# Altium PCB lora_gw_som_pcb.PcbDoc (part 1 of 3) (continued)
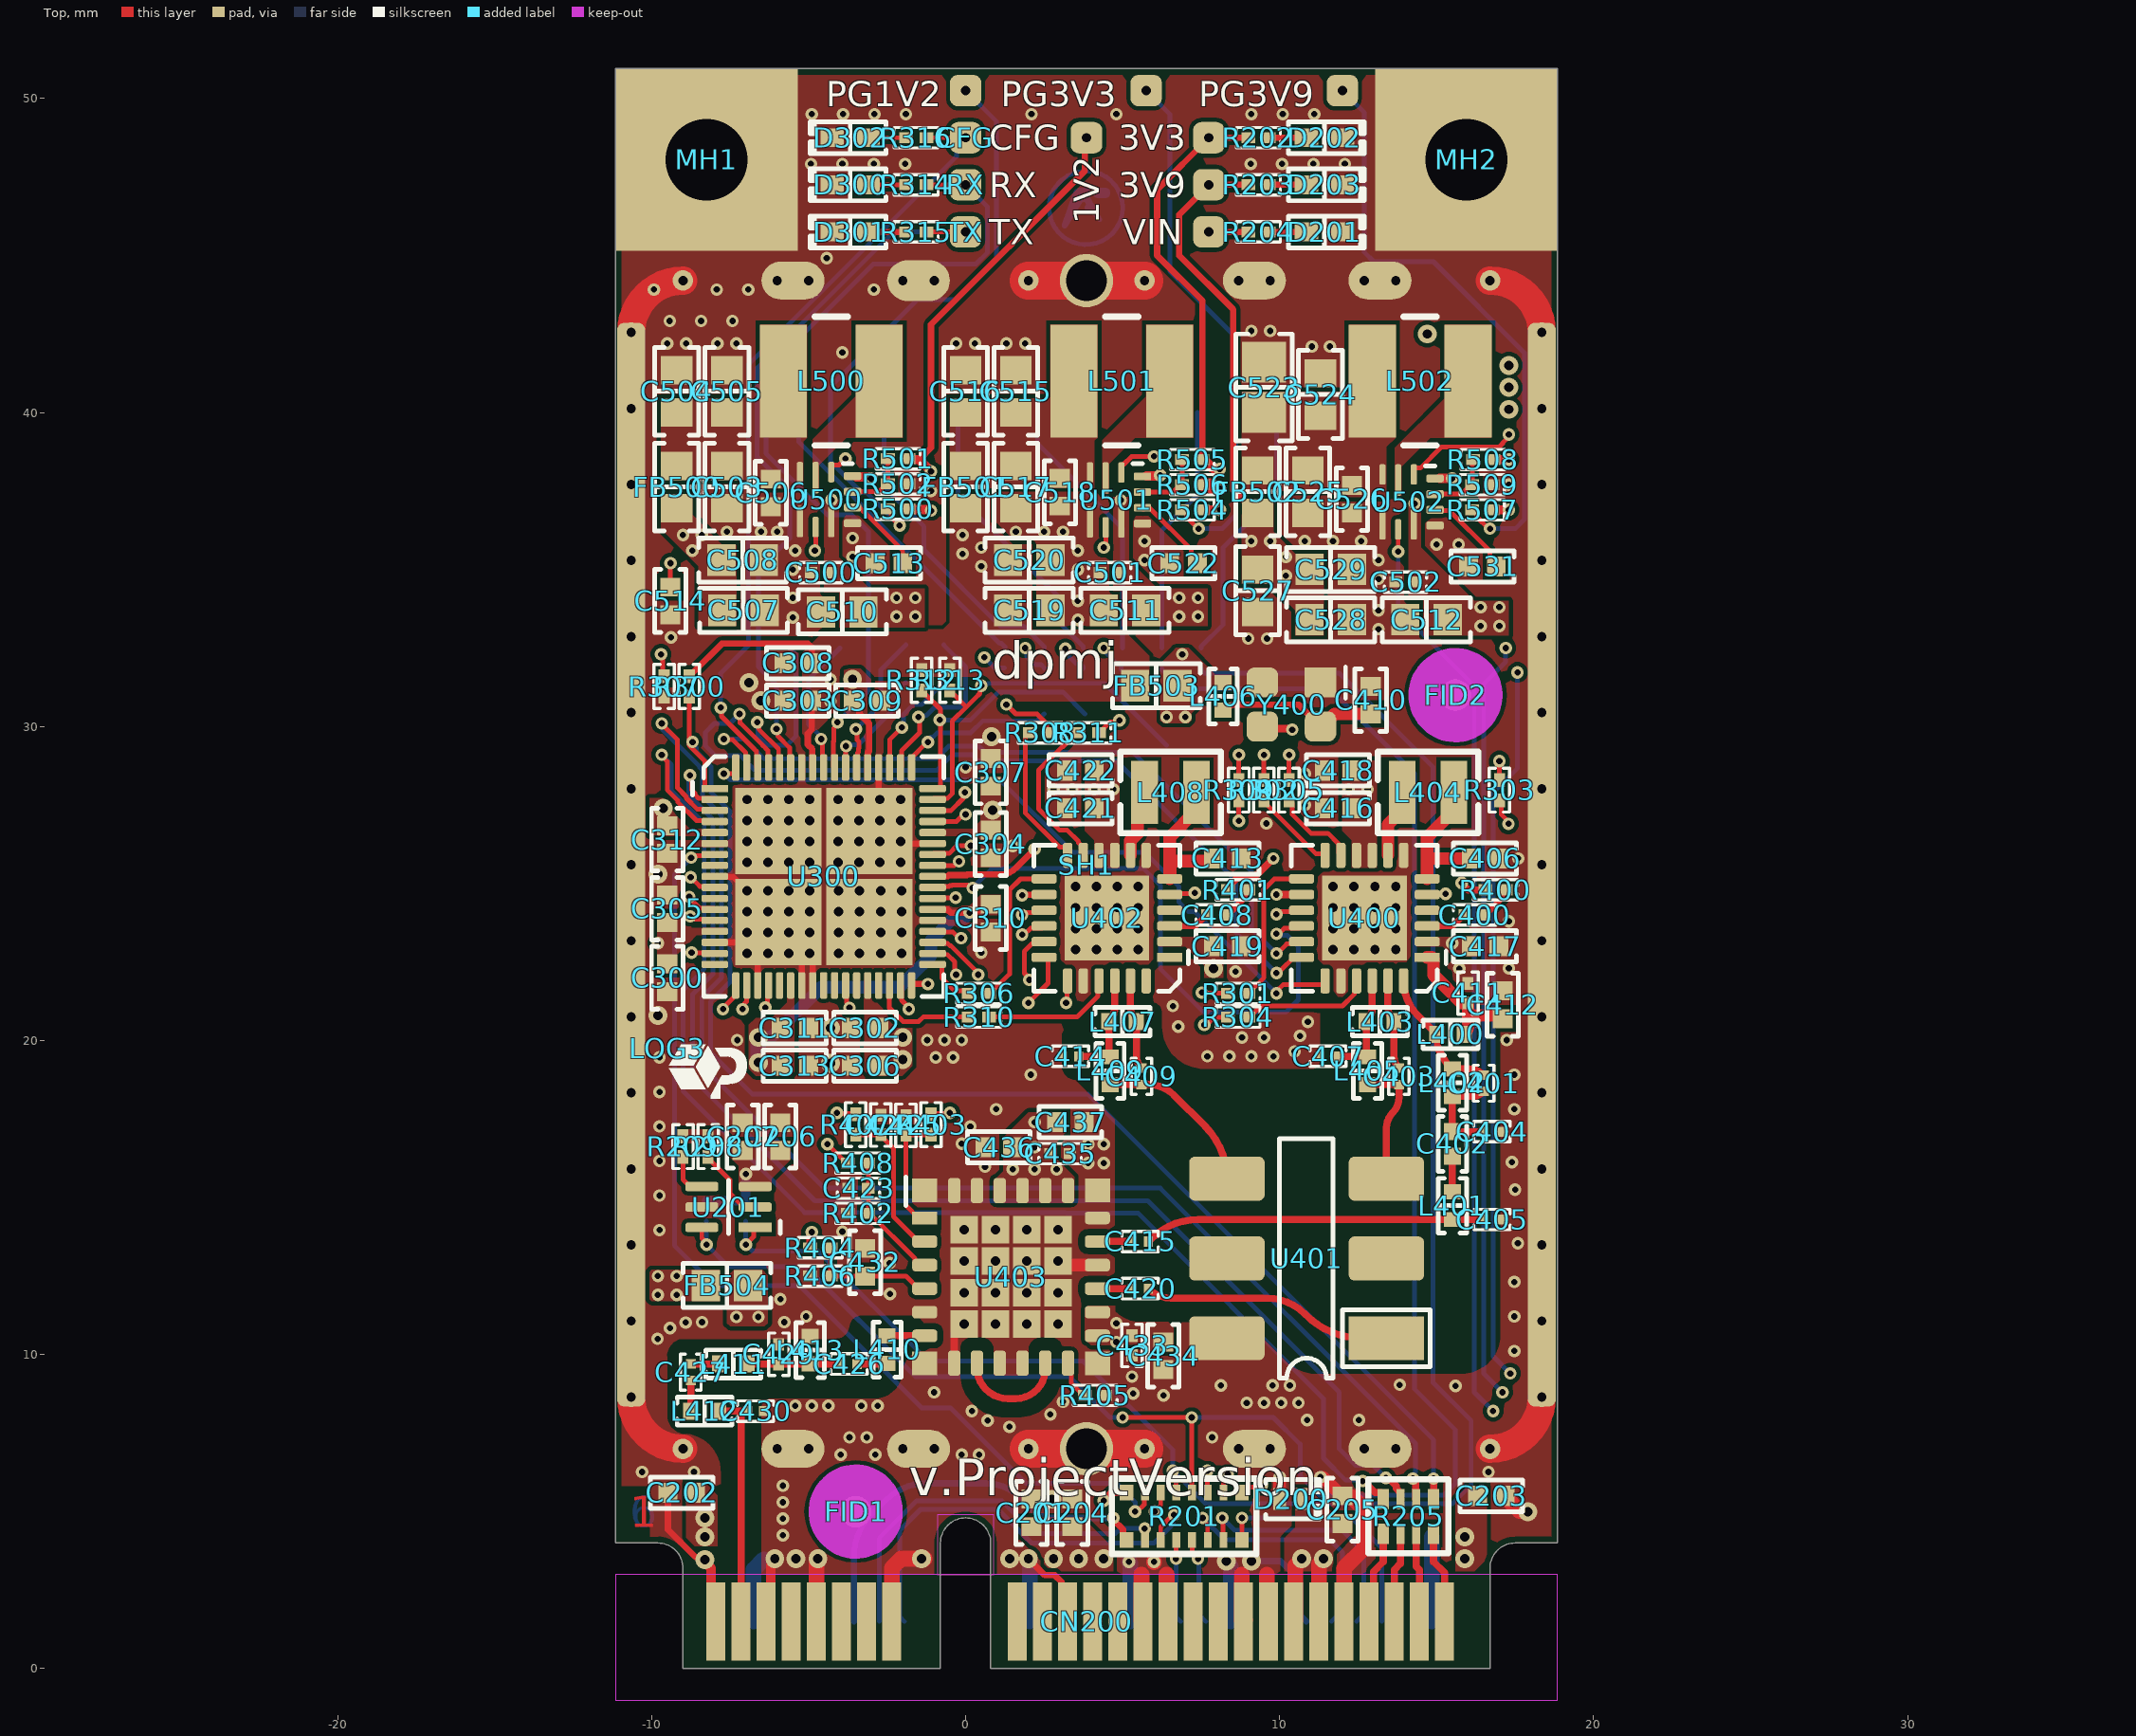
[diagram p0: Top view]
## Classes and differential pairs
net class "SPI PCI": PCI.SPI.MISO PCI.SPI.MOSI PCI.SPI.NSS PCI.SPI.SCK
net class "SPI HOST": SPI_SX1302.MISO SPI_SX1302.MOSI SPI_SX1302.NSS SPI_SX1302.SCK
net class "SPI A": SPI_RADIO_A.CSN SPI_RADIO_A.MISO SPI_RADIO_A.MOSI SPI_RADIO_A.SCK
net class IQ: RADIO_A_CLK_O RADIO_A_IQ0 RADIO_A_IQ1 RADIO_A_IQ2 RADIO_A_IQ3 RADIO_B_CLK_O RADIO_B_IQ0 RADIO_B_IQ1 RADIO_B_IQ2 RADIO_B_IQ3 SX1302_A_IQ0 SX1302_A_IQ1 SX1302_A_IQ2 SX1302_A_IQ3 SX1302_A_IQ4 SX1302_B_IQ0 SX1302_B_IQ1 SX1302_B_IQ2 SX1302_B_IQ3 SX1302_B_IQ4
net class I2C: I2C.SCL I2C.SDA
net class "SPI B": SPI_RADIO_B.CSN SPI_RADIO_B.MISO SPI_RADIO_B.MOSI SPI_RADIO_B.SCK
net class RF50: NetC426_1 NetC427_1 PWSPLT.RA PWSPLT.RB RA.LPF RA.RFIN RA.RFIP RA.RFO RA.ZO RB.RFIN RB.RFIP RF_RXOUT RF_TXIN RFIO RFIO_BPF RFIO_LPF RFSW.ANTENNA RFSW.RX12 RFSW.RXOUT RFSW.TXIN
net class POWER: DC1V2.SW DC1V2.VO DC3V3.SW DC3V3.VO DC3V9.SW DC3V9.VO GND RA.DCSW RA.VREG RB.DCSW RB.VREG VCC_CORE_1V2 VCC_IN_5V VCC_IO_3V3 VCC_RADIO_3V3 VCC_RFSW_3V3 VCC_RFSW_3V9 VR_PA
component class 1_cover: EM1 FID1 FID2 LOG1 LOG2 LOG3 LOG4 LOG5 MH1 MH2 SH1
net class RADIO_B_IQ[0..3]: RADIO_B_IQ0 RADIO_B_IQ1 RADIO_B_IQ2 RADIO_B_IQ3
net class RADIO_A_IQ[0..3]: RADIO_A_IQ0 RADIO_A_IQ1 RADIO_A_IQ2 RADIO_A_IQ3
component class "RF FRONTEND MODULE": C415 C420 C423 C424 C425 C426 C427 C429 C430 C432 C433 C434 C435 C436 C437 L410 L411 L412 L413 R402 R403 R404 R405 R406 R407 R408 U403
component class POWER: 1V2 3V3 3V9 C500 C501 C502 C503 C504 C505 C506 C507 C508 C510 C511 C512 C513 C514 C515 C516 C517 C518 C519 C520 C522 C523 C524 C525 C526 C527 C528 C529 C531 FB500 FB501 FB502 FB503 FB504 L500 L501 L502 PG1V2 PG3V3 PG3V9 R500 R501 R502 R504 R505 R506 R507 R508 R509 U500 U501 U502 VIN
component class "MINI-PCIE CONNECTOR": C201 C202 C203 C204 C205 C206 C207 CN200 CN201 D200 D201 D202 D203 R200 R201 R202 R203 R204 R205 R206 R207 R208 R209 R210 R211 R212 R213 R214 U201
component class "LORA GATEWAY RF FRONTEND": C400 C401 C402 C403 C404 C405 C406 C407 C408 C409 C410 C411 C412 C413 C414 C416 C417 C418 C419 C421 C422 L400 L401 L402 L403 L404 L405 L406 L407 L408 L409 R400 R401 U400 U401 U402 Y400
component class "LORA GATEWAY BASEBAND": C300 C302 C303 C304 C305 C306 C307 C308 C309 C310 C311 C312 C313 CFG D300 D301 D302 R300 R301 R302 R303 R304 R305 R306 R307 R308 R309 R310 R311 R312 R313 R314 R315 R316 RX TP1 TP3 TP5 TP6 TP7 TP8 TP9 TP10 TP11 TX U300

## Components (designator, comment, footprint, x,y, rotation, side; value= is the part's Value field where it differs from the comment)
1V2 "Value" TESTPOINT_VIA 3.85,48.75 r0 bottom
3V3 "Value" TESTPOINT_VIA 7.75,48.75 r270 bottom
3V9 "Value" TESTPOINT_VIA 7.75,47.25 r270 bottom
C201 "1 µF" "CAP 0402_1005" 2.1,4.96 r270 top
C202 "0.1 µF" "CAP 0402_1005" -9.04,5.6 r0 top
C203 "0.1 µF" "CAP 0402_1005" 16.74,5.5 r180 top
C204 "0.1 µF" "CAP 0402_1005" 3.4,4.96 r270 top
C205 "0.1 µF" "CAP 0402_1005" 12,5.06 r270 top
C206 "0.1 µF" "CAP 0402_1005" -5.9,16.94 r270 top
C207 "1 µF" "CAP 0402_1005" -7.1,16.94 r270 top
C300 "0.1 µF" "CAP 0402_1005" -9.5,22 r90 top
C302 "0.1 µF" "CAP 0402_1005" -3.2,20.4 r0 top
C303 "0.1 µF" "CAP 0402_1005" -5.34,30.82 r0 top
C304 "0.1 µF" "CAP 0402_1005" 0.8,26.26 r90 top
C305 "1 µF" "CAP 0402_1005" -9.5,24.2 r270 top
C306 "1 µF" "CAP 0402_1005" -3.2,19.2 r0 top
C307 "1 µF" "CAP 0402_1005" 0.8,28.54 r270 top
C308 "1 µF" "CAP 0402_1005" -5.34,32.02 r0 top
C309 "0.1 µF" "CAP 0402_1005" -3.14,30.82 r180 top
C310 "0.1 µF" "CAP 0402_1005" 0.8,23.9 r90 top
C311 "0.1 µF" "CAP 0402_1005" -5.44,20.4 r180 top
C312 "0.1 µF" "CAP 0402_1005" -9.5,26.4 r90 top
C313 "1 µF" "CAP 0402_1005" -5.44,19.2 r180 top
C400 "10 pF" "CAP 0201_0603" 16.21,24 r0 top
C401 "6.8 pF" "CAP 0201_0603 RF" 16.5,18.64 r270 top
C402 "39 pF" "CAP 0402_1005 RF" 15.5,16.71 r270 top
C403 "1.5 pF" "CAP 0201_0603 RF" 13.8,18.86 r270 top
C404 "4.7 pF" "CAP 0201_0603 RF" 16.76,17.1 r180 top
C405 "4.7 pF" "CAP 0201_0603 RF" 16.76,14.3 r180 top
C406 "0.47 µF" "CAP 0402_1005" 16.54,25.8 r180 top
C407 "3.1 pF" "CAP 0201_0603 RF" 11.54,19.5 r0 top
C408 "10 pF" "CAP 0201_0603" 8.01,24 r0 top
C409 "1.5 pF" "CAP 0201_0603 RF" 5.6,18.86 r270 top
C410 "0.1 µF" "CAP 0402_1005" 12.9,30.84 r270 top
C411 "47 pF" "CAP 0201_0603" 16,21.51 r270 top
C412 "0.047 µF" "CAP 0402_1005" 17.1,21.14 r270 top
C413 "0.47 µF" "CAP 0402_1005" 8.34,25.8 r180 top
C414 "3.1 pF" "CAP 0201_0603 RF" 3.34,19.5 r0 top
C415 "100 pF" "CAP 0201_0603 RF" 5.56,13.6 r180 top
C416 "0.1 µF" "CAP 0402_1005" 11.86,27.4 r0 top
C417 "0.1 µF" "CAP 0402_1005" 16.54,23 r180 top
C418 "1 µF" "CAP 0402_1005" 11.86,28.6 r0 top
C419 "0.1 µF" "CAP 0402_1005" 8.34,23 r180 top
C420 "100 pF" "CAP 0201_0603 RF" 5.56,12.1 r180 top
C421 "0.1 µF" "CAP 0402_1005" 3.66,27.4 r0 top
C422 "1 µF" "CAP 0402_1005" 3.66,28.6 r0 top
C423 "56 pF" "CAP 0201_0603" -3.41,15.3 r0 top
C424 "56 pF" "CAP 0201_0603" -2.7,17.31 r270 top
C425 "56 pF" "CAP 0201_0603" -1.9,17.3 r270 top
C426 "1.4 pF" "CAP 0201_0603 RF" -3.71,9.7 r180 top
C427 "1.4 pF" "CAP 0201_0603 RF" -8.75,9.44 r270 top
C429 "62 pF" "CAP 0201_0603" -5.95,10.01 r270 top
C430 "2.2 pF" "CAP 0201_0603 RF" -6.69,8.2 r180 top
C432 "1 µF" "CAP 0402_1005" -3.2,12.94 r270 top
C433 "220 pF" "CAP 0201_0603" 5.3,10.29 r90 top
C434 "10000 pF" "CAP 0402_1005" 6.3,9.96 r90 top
C435 "220 pF" "CAP 0201_0603" 3.01,16.4 r180 top
C436 "0.1 µF" "CAP 0402_1005" 1.06,16.6 r0 top
C437 "1 µF" "CAP 0402_1005" 3.34,17.4 r180 top
C500 "2200 pF" "CAP 0201_0603" -4.61,34.9 r0 top
C501 "2200 pF" "CAP 0201_0603" 4.59,34.9 r0 top
C502 "2200 pF" "CAP 0201_0603" 14.01,34.6 r0 top
C503 "22 µF" "CAP 0603_1608" -7.6,37.625 r90 top
C504 "22 µF" "CAP 0603_1608" -9.2,40.675 r270 top
C505 "22 µF" "CAP 0603_1608" -7.6,40.675 r270 top
C506 "0.1 µF" "CAP 0402_1005" -6.2,37.44 r90 top
C507 "22 µF" "CAP 0603_1608" -7.075,33.7 r180 top
C508 "22 µF" "CAP 0603_1608" -7.1,35.3 r180 top
C510 "10 µF" "CAP 0603_1608" -3.925,33.65 r0 top
C511 "10 µF" "CAP 0603_1608" 5.075,33.7 r0 top
C512 "10 µF" "CAP 0603_1608" 14.675,33.4 r0 top
C513 "0.47 µF" "CAP 0402_1005" -2.44,35.2 r0 top
C514 "0.1 µF" "CAP 0402_1005" -9.4,34 r90 top
C515 "22 µF" "CAP 0603_1608" 1.6,40.675 r270 top
C516 "22 µF" "CAP 0603_1608" 0,40.675 r270 top
C517 "22 µF" "CAP 0603_1608" 1.6,37.625 r90 top
C518 "0.1 µF" "CAP 0402_1005" 3,37.46 r90 top
C519 "22 µF" "CAP 0603_1608" 2.025,33.7 r180 top
C520 "22 µF" "CAP 0603_1608" 2.025,35.3 r180 top
C522 "0.47 µF" "CAP 0402_1005" 6.94,35.2 r0 top
C523 "47 µF" "CAP 0805_2012" 9.5,40.8 r270 top
C524 "22 µF" "CAP 0603_1608" 11.3,40.575 r270 top
C525 "22 µF" "CAP 0603_1608" 10.9,37.475 r90 top
C526 "0.1 µF" "CAP 0402_1005" 12.3,37.24 r90 top
C527 "22 µF" "CAP 0603_1608" 9.3,34.325 r90 top
C528 "22 µF" "CAP 0603_1608" 11.625,33.4 r180 top
C529 "22 µF" "CAP 0603_1608" 11.625,35 r180 top
C531 "0.47 µF" "CAP 0402_1005" 16.46,35.1 r0 top
CFG "Value" testpoint_via 0,48.75 r270 top
CN200 "Mini PCI Express Card Edge connector" "MINI PCI EXPRESS" 0,0 r0 top locked
CN201 "Value" "HEADER 1X10 2.54MM" 15,40 r180 bottom
D200 "RCLAMP0561PQTCT" 0402 10.35,5.4 r0 top
D201 "Green" "LED 0402_1005 GREEN" 11.425,45.75 r0 top
D202 "Yellow" "LED 0402_1005 YELLOW" 11.425,48.75 r0 top
D203 "Red" "LED 0402_1005 RED" 11.425,47.25 r0 top
D300 "Red" "LED 0402_1005 RED" -3.675,47.25 r180 top
D301 "Green" "LED 0402_1005 GREEN" -3.675,45.75 r180 top
D302 "Yellow" "LED 0402_1005 YELLOW" -3.675,48.75 r180 top
FB500 "8.5 Ohms @ 100 MHz" "FER 0603_1608" -9.2,37.625 r270 top
FB501 "8.5 Ohms @ 100 MHz" "FER 0603_1608" 0,37.625 r270 top
FB502 "8.5 Ohms @ 100 MHz" "FER 0603_1608" 9.3,37.475 r270 top
FB503 "8.5 Ohms @ 100 MHz" "FER 0603_1608" 6.075,31.3 r0 top
FB504 "8.5 Ohms @ 100 MHz" "FER 0603_1608" -7.6,12.2 r0 top
FID1 "Fiducial Mark" FIDUCIAL_1_3_MM -3.5,5 r0 top locked
FID2 "Fiducial Mark" FIDUCIAL_1_3_MM 15.6,31 r0 top locked
L400 "100 nH" "IND 0402_1005 RF WW" 15.44,20.2 r180 top
L401 "10 nH" "IND 0402_1005 RF WW" 15.5,14.74 r270 top
L402 "5.6 nH" "IND 0402_1005 RF WW" 15.5,18.66 r270 top
L403 "68 nH" "IND 0402_1005 RF WW" 13.2,20.6 r0 top
L404 "15 µH" "TDK VLS252010CX" 14.725,27.9 r180 top
L405 "82 nH" "IND 0402_1005 RF WW" 12.8,19.04 r270 top
L406 "100 nH" "IND 0402_1005 RF WW" 8.2,30.96 r270 top
L407 "68 nH" "IND 0402_1005 RF WW" 5,20.6 r0 top
L408 "15 µH" "TDK VLS252010CX" 6.525,27.9 r180 top
L409 "82 nH" "IND 0402_1005 RF WW" 4.6,19.04 r270 top
L410 "100 nH" "IND 0402_1005 RF WW" -2.5,10.16 r270 top
L411 "100 nH" "IND 0402_1005 RF WW" -7.39,9.7 r180 top
L412 "6 nH" "IND 0402_1005 RF WW" -8.31,8.2 r0 top
L413 "2.2 nH" "IND 0402_1005 RF WW" -4.95,10.14 r90 top
L500 "2.2 µH" "BOURNS SRN4018" -4.275,41 r180 top
L501 "2.2 µH" "BOURNS SRN4018" 4.975,41 r180 top
L502 "2.2 µH" "BOURNS SRN4018" 14.475,41 r180 top
LOG1 "Pluton" logo_pluton_small 17,11.5 r180 bottom
LOG2 "MAG" LOGO_MAG 16.9,34.7 r180 bottom
LOG3 "Pluton isotype" logo_pluton_isotype_small -9.5,19.75 r0 top
LOG4 "AEA" logo_aea -6.275,10.385 r180 bottom
LOG5 "LoRa" logo_lora -4.2,10.4 r90 bottom
MH1 "M2.5" "MH MPCIE M2.5" -8.25,48.05 r0 top
MH2 "M2.5" "MH MPCIE M2.5" 15.95,48.05 r0 top
PG1V2 "Value" TESTPOINT_VIA 0,50.25 r270 bottom
PG3V3 "Value" TESTPOINT_VIA 5.75,50.25 r270 bottom
PG3V9 "Value" TESTPOINT_VIA 12,50.25 r270 bottom
R200 "0 Ohms" "RES 0201_0603" 7.5,32.175 r270 bottom
R201 "EXB-2HV101JV" "RESNET 1506-16 CONVEX" 6.963,4.85 r90 top
R202 "680 Ohms" "RES 0201_0603" 9.325,48.75 r180 top
R203 "750 Ohms" "RES 0201_0603" 9.325,47.25 r180 top
R204 "1.5 kOhms" "RES 0201_0603" 9.325,45.75 r180 top
R205 "EXB-28V101JX" "RESNET 0804-8 CONVEX" 14.1,4.85 r270 top
R206 "4.7 kOhms" "RES 0201_0603" -8.25,14.575 r90 bottom
R207 "4.7 kOhms" "RES 0201_0603" -7,14.575 r90 bottom
R208 "47 kOhms" "RES 0201_0603" -8.2,16.625 r90 top
R209 "33 kOhms" "RES 0201_0603" -9,16.625 r90 top
R210 "0 Ohms" "RES 0201_0603" 6.25,32.175 r270 bottom
R211 "0 Ohms" "RES 0201_0603" 5,32.175 r270 bottom
R212 "0 Ohms" "RES 0201_0603" 3.75,32.175 r270 bottom
R213 "0 Ohms" "RES 0201_0603" 2.5,32.175 r270 bottom
R214 "0 Ohms" "RES 0201_0603" 1.25,32.175 r270 bottom
R300 "10 kOhms" "RES 0201_0603" -8.8,31.275 r270 top
R301 "0 Ohms" "RES 0201_0603" 8.675,21.5 r0 top
R302 "0 Ohms" "RES 0201_0603" 9.5,27.975 r270 top
R303 "0 Ohms" "RES 0201_0603" 17,27.975 r270 top
R304 "0 Ohms" "RES 0201_0603" 8.675,20.75 r0 top
R305 "0 Ohms" "RES 0201_0603" 10.3,27.975 r270 top
R306 "0 Ohms" "RES 0201_0603" 0.425,21.5 r0 top
R307 "10 kOhms" "RES 0201_0603" -9.6,31.275 r270 top
R308 "0 Ohms" "RES 0201_0603" 2.375,29.8 r180 top
R309 "0 Ohms" "RES 0201_0603" 8.7,27.975 r270 top
R310 "0 Ohms" "RES 0201_0603" 0.425,20.75 r0 top
R311 "0 Ohms" "RES 0201_0603" 3.925,29.8 r180 top
R312 "4.7 kOhms" "RES 0201_0603" -1.4,31.475 r90 top
R313 "4.7 kOhms" "RES 0201_0603" -0.5,31.475 r90 top
R314 "680 Ohms" "RES 0201_0603" -1.575,47.25 r0 top
R315 "680 Ohms" "RES 0201_0603" -1.575,45.75 r0 top
R316 "680 Ohms" "RES 0201_0603" -1.575,48.75 r0 top
R400 "220 Ohms" "RES 0201_0603" 16.875,24.8 r0 top
R401 "220 Ohms" "RES 0201_0603" 8.675,24.8 r0 top
R402 "0 Ohms" "RES 0201_0603" -3.425,14.5 r0 top
R403 "1 kOhms" "RES 0201_0603" -1.1,17.325 r270 top
R404 "5.1 kOhms" "RES 0201_0603" -4.625,13.4 r180 top
R405 "0 Ohms" "RES 0201_0603" 4.125,8.7 r180 top
R406 "3.3 kOhms" "RES 0201_0603" -4.625,12.5 r0 top
R407 "1 kOhms" "RES 0201_0603" -3.5,17.325 r270 top
R408 "1 kOhms" "RES 0201_0603" -3.425,16.1 r0 top
R500 "100 kOhms" "RES 0201_0603" -2.15,36.925 r0 top
R501 "2.49 kOhms" "RES 0201_0603" -2.15,38.525 r0 top
R502 "4.87 kOhms" "RES 0201_0603" -2.15,37.725 r180 top
R504 "100 kOhms" "RES 0201_0603" 7.22,36.9 r0 top
R505 "15.4 kOhms" "RES 0201_0603" 7.22,38.5 r0 top
R506 "4.87 kOhms" "RES 0201_0603" 7.22,37.7 r180 top
R507 "100 kOhms" "RES 0201_0603" 16.455,36.9 r0 top
R508 "19.1 kOhms" "RES 0201_0603" 16.48,38.5 r0 top
R509 "4.87 kOhms" "RES 0201_0603" 16.455,37.7 r180 top
RX "Value" testpoint_via 0,47.25 r270 top
SH1 "MS375-10F" MS375-10F -9,7 r90 top locked
TP1 "Value" testpoint_pad -5.6,32.5 r270 bottom
TP3 "Value" testpoint_pad -4,32.5 r270 bottom
TP5 "Value" testpoint_pad -1.9,31.4 r270 bottom
TP6 "Value" testpoint_pad -1.9,32.6 r270 bottom
TP7 "Value" testpoint_pad -0.7,31.4 r270 bottom
TP8 "Value" testpoint_pad -0.7,32.6 r180 bottom
TP9 "Value" testpoint_pad 2.5,30.4 r180 bottom
TP10 "Value" testpoint_pad 3.8,30.4 r90 bottom
TP11 "Value" testpoint_pad 6.4,29.4 r0 bottom
TX "Value" testpoint_via 0,45.75 r270 top
U201 "STTS751" UDFN-6L -6.7,14.05 r180 top
U300 "SX1302IMLTRT" QFN-68 -7.99,28.025 r0 top locked
U400 "SX1250IMLTRT" QFN-24 14.7,22.65 r180 top locked
U401 "JPS-2-1N+" SOP6-BH292-JPS-2-1N 13.4,10.52 r180 top locked
U402 "SX1250IMLTRT" QFN-24 6.5,22.65 r180 top locked
U403 "SKY65366-21" MCM-28-SKY65366-21 -1.3,14.35 r0 top
U500 "TPS62912" VQFN-HR-TPS6291X -3.6,37.975 r270 top locked
U501 "TPS62912" VQFN-HR-TPS6291X 5.635,37.965 r270 top locked
U502 "TPS62912" VQFN-HR-TPS6291X 14.95,37.9 r270 top locked
VIN "Value" TESTPOINT_VIA 7.75,45.75 r270 bottom
Y400 "FT2MNTUM-32.0-T1" TCXO-XTAL-FT2MN 11.3,30 r180 top

## Footprints (in the part's own frame and the unit in brackets; to place one, negate y for a bottom-side part, rotate by r counter-clockwise, add the part's x,y. Pads: shape width x height; smd on the part's side, far side on the other; paste and mask are expansions set on the pad)
0402 [mm] "SODFL, 2-Leads, Body 0.675x1.075mm, IPC Medium Density"
  rect 0.4x0.7 smd: 1(-0.35,0) 2(0.35,0)
  silkscreen extent -0.8,-0.63 0.92,0.63, body extent -0.51,-0.31 0.5,0.3, height 0.45
"BOURNS SRN4018" [mm] "Power Inductor, 2-Leads, Bourns, SRN4018-220M"
  rect 1.5x3.6 smd: 1(-1.525,0) 2(1.525,0)
  silkscreen extent -0.53,-2.05 0.53,2.05, body extent -2.05,-2.05 2.05,2.05, height 1.8
"CAP 0201_0603" [mm] "Chip Capacitor, 2-Leads, Body 0.60x0.30mm, IPC Medium Density"
  rect 0.4x0.35 smd: 1(-0.31,0) 2(0.31,0)
  silkscreen extent -0.67,-0.33 0.67,0.33, body extent -0.3,-0.15 0.3,0.15, height 0.3
"CAP 0201_0603 RF" [mm] "Chip Capacitor, 2-Leads, Body 0.60x0.30mm, IPC High Density"
  rect 0.3x0.32 smd: 1(-0.26,0) 2(0.26,0)
  silkscreen extent -0.58,-0.33 0.58,0.33, body extent -0.3,-0.15 0.3,0.15, height 0.3
"CAP 0402_1005" [mm] "Chip Capacitor, 2-Leads, Body 1.02x0.51mm, IPC Medium Density"
  rect 0.6x0.64 smd: 1(-0.44,0) 2(0.44,0)
  silkscreen extent -1,-0.5 1,0.5, body extent -0.5,-0.26 0.5,0.26, height 0.52
"CAP 0402_1005 RF" [mm] "Chip Capacitor, 2-Leads, Body 1.02x0.51mm, IPC High Density"
  rect 0.55x0.54 smd: 1(-0.39,0) 2(0.39,0)
  silkscreen extent -0.87,-0.45 0.87,0.45, body extent -0.5,-0.26 0.5,0.26, height 0.52
"CAP 0603_1608" [mm] "Chip Capacitor, 2-Leads, Body 1.60x0.80mm, IPC Medium Density"
  rect 0.9x1 smd: 1(-0.675,0) 2(0.675,0)
  silkscreen extent -1.4,-0.7 1.4,0.7, body extent -0.8,-0.41 0.8,0.41, height 0.82
"CAP 0805_2012" [mm] "Chip Capacitor, 2-Leads, Body 2.00x1.20mm, IPC Medium Density"
  rect 1.3x1.4 smd: 1(-0.8,0) 2(0.8,0)
  silkscreen extent -1.7,-0.9 1.7,0.9, body extent -1,-0.64 1,0.64, height 1.26
"FER 0603_1608" [mm] "Chip Ferrite, 2-Leads, Body 1.60x0.80mm, IPC Medium Density"
  rect 0.9x1 smd: 1(-0.675,0) 2(0.675,0)
  silkscreen extent -1.4,-0.7 1.4,0.7, body extent -0.8,-0.41 0.8,0.41, height 0.82
FIDUCIAL_1_3_MM [mm]
  round 1 smd mask+1: 0(0,0)
  Top keep-out circle w1.5: c0,0 r0.75
"HEADER 1X10 2.54MM" [mm] "header 1x10 2.54mm pitch"
  rect 1.5x3.5 smd: 1(0,0)
  oval 1.5x3.5 smd: 2(2.54,0) 3(5.08,0) 4(7.62,0) 5(10.16,0) 6(12.7,0) 7(15.24,0) 8(17.78,0) 9(20.32,0) 10(22.86,0)
  silkscreen extent -1,-2 1,2
"IND 0402_1005 RF WW" [mm] "Chip Inductor, 2-Leads, Body 1.00x0.50mm, IPC High Density"
  rect 0.48x0.54 smd: 1(-0.44,0) 2(0.44,0)
  silkscreen extent -0.87,-0.45 0.87,0.45, body extent -0.5,-0.29 0.5,0.29, height 0.51
"LED 0402_1005 GREEN" [mm] "Chip Diode, 2-Leads, Body 1.00x0.50mm, IPC Medium Density"
  rect 0.75x0.6 smd: 1(-0.575,0) 2(0.575,0)
  silkscreen extent -1.14,-0.51 1.27,0.51, body extent -0.5,-0.25 0.5,0.25, height 0.21
"LED 0402_1005 RED" [mm] "Chip Diode, 2-Leads, Body 1.00x0.50mm, IPC Medium Density"
  rect 0.75x0.6 smd: 1(-0.575,0) 2(0.575,0)
  silkscreen extent -1.14,-0.51 1.27,0.51, body extent -0.5,-0.25 0.5,0.25, height 0.21
"LED 0402_1005 YELLOW" [mm] "Chip Diode, 2-Leads, Body 1.00x0.50mm, IPC Medium Density"
  rect 0.75x0.6 smd: 1(-0.575,0) 2(0.575,0)
  silkscreen extent -1.14,-0.51 1.27,0.51, body extent -0.5,-0.25 0.5,0.25, height 0.21
logo_aea [mm]
  silkscreen extent -0.62,-3.63 3.63,0.62
logo_lora [mm]
  silkscreen extent 0,-1.56 8,3.19
LOGO_MAG [mm]
  silkscreen extent 0.09,-4.95 8.01,0.6
logo_pluton_isotype_small [mm]
  silkscreen extent 0.06,-1.61 2.53,0.12
logo_pluton_small [mm]
  silkscreen extent -0.44,-2.19 12.01,0.14
MCM-28-SKY65366-21 [mm]
  rect 0.875x0.875 smd: 0(1.25,-3.375) 0(1.25,-2.375) 0(1.25,-1.375) 0(1.25,-0.375) 0(2.25,-3.375) 0(2.25,-2.375) 0(2.25,-1.375) 0(2.25,-0.375) 0(3.25,-3.375) 0(3.25,-2.375) 0(3.25,-1.375) 0(3.25,-0.375) 0(4.25,-3.375) 0(4.25,-2.375) 0(4.25,-1.375) 0(4.25,-0.375)
  rect 0.8x0.75 smd: 1(0,0.875) 8(0,-4.625) 15(5.499,-4.625) 22(5.499,0.875)
  rect 0.8x0.4 smd: 2(0,0)
  rrect50% 0.8x0.4 smd: 3(0,-0.75) 4(0,-1.5) 5(0,-2.25) 6(0,-3) 7(0,-3.75) 16(5.499,-3.75) 17(5.499,-3) 18(5.499,-2.25) 19(5.499,-1.5) 20(5.499,-0.75) 21(5.499,0)
  rrect50% 0.4x0.8 smd: 9(0.937,-4.625) 10(1.662,-4.625) 11(2.387,-4.625) 12(3.112,-4.625) 13(3.837,-4.625) 14(4.562,-4.625) 23(4.562,0.875) 24(3.837,0.875) 25(3.112,0.875) 26(2.387,0.875) 27(1.662,0.875) 28(0.937,0.875)
  silkscreen extent -0.6,0.4 -0.6,1.3, body extent -0.23,-4.88 5.77,1.12, height 1.05
"MH MPCIE M2.5" [mm] "M2.5 mounting hole for mPCIe boards"
  rect 5.8x5.8 hole 2.6: 1(0,0)
"MINI PCI EXPRESS" [mm]
  rect 0.6x2.5 smd: 1(-7.95,1.5) 3(-7.15,1.5) 5(-6.35,1.5) 7(-5.55,1.5) 9(-4.75,1.5) 11(-3.95,1.5) 13(-3.15,1.5) 15(-2.35,1.5) 17(1.65,1.5) 19(2.45,1.5) 21(3.25,1.5) 23(4.05,1.5) 25(4.85,1.5) 27(5.65,1.5) 29(6.45,1.5) 31(7.25,1.5) 33(8.05,1.5) 35(8.85,1.5) 37(9.65,1.5) 39(10.45,1.5) 41(11.25,1.5) 43(12.05,1.5) 45(12.85,1.5) 47(13.65,1.5) 49(14.45,1.5) 51(15.25,1.5)
  rect 0.6x2.5 smd far side: 2(-7.55,1.5) 4(-6.75,1.5) 6(-5.95,1.5) 8(-5.15,1.5) 10(-4.35,1.5) 12(-3.55,1.5) 14(-2.75,1.5) 16(-1.95,1.5) 18(2.05,1.5) 20(2.85,1.5) 22(3.65,1.5) 24(4.45,1.5) 26(5.25,1.5) 28(6.05,1.5) 30(6.85,1.5) 32(7.65,1.5) 34(8.45,1.5) 36(9.25,1.5) 38(10.05,1.5) 40(10.85,1.5) 42(11.65,1.5) 44(12.45,1.5) 46(13.25,1.5) 48(14.05,1.5) 50(14.85,1.5) 52(15.65,1.5)
MS375-10F [mm] "Masach MS375-10F 37.5 x 29.3 x 6.5mm Two-piece Drawn-Seamless RF Shield/EMI Shield FRAME (CRS)"
  rrect100% 1.2x2 smd paste-2539.97: 1(0,-3.5) 1(0,-7.5) 1(0,-18.2) 1(0,-22.2) 1(37.2,-22.2) 1(37.2,-18.2) 1(37.2,-3.5)
  round 1.7 hole 1.3 paste-2539.97: 1(0,-12.85) 1(37.2,-12.85)
  rrect50% 34.5x0.9 smd paste-2539.97: 1(18.6,1.65) 1(18.6,-27.35)
  rrect100% 1.3x2 smd paste-2539.97: 1(37.2,-7.5)
  Top lines w0.9: 1.65,1.65 ccw(c1.65,0) 0,0 ; 18.6,1.65 35.55,1.65 cw(c35.55,0) 37.2,0 ; 0,-25.7 ccw(c1.65,-25.7) 1.65,-27.35 ; 37.2,-25.7 cw(c35.55,-25.7) 35.55,-27.35
  Top lines w1.2: 0,-11 0,-12.85 0,-14.7 ; 37.2,-11 37.2,-12.85 37.2,-14.7
  body extent -0.1,-27.5 37.4,1.8, height 6.5
QFN-24 [mm]
  rect 2.7x2.7 smd: 0(2,-1.25)
  rect 0.8x0.3 smd: 1(0,0)
  rrect50% 0.8x0.3 smd: 2(0,-0.5) 3(0,-1) 4(0,-1.5) 5(0,-2) 6(0,-2.5) 13(4,-2.5) 14(4,-2) 15(4,-1.5) 16(4,-1) 17(4,-0.5) 18(4,0)
  rrect50% 0.3x0.8 smd: 7(0.75,-3.25) 8(1.25,-3.25) 9(1.75,-3.25) 10(2.25,-3.25) 11(2.75,-3.25) 12(3.25,-3.25) 19(3.25,0.75) 20(2.75,0.75) 21(2.25,0.75) 22(1.75,0.75) 23(1.25,0.75) 24(0.75,0.75)
  silkscreen extent -0.6,-3.57 4.32,1.08, body extent -0.04,-3.29 4.05,0.79, height 0.99
QFN-68 [mm]
  rect 2.75x2.75 smd: 0(2.025,-4.25) 0(2.025,-1.35) 0(4.925,-4.25) 0(4.925,-1.35)
  rect 0.85x0.23 smd: 1(0,0)
  rrect50% 0.85x0.23 smd: 2(0,-0.35) 3(0,-0.7) 4(0,-1.05) 5(0,-1.4) 6(0,-1.75) 7(0,-2.1) 8(0,-2.45) 9(0,-2.8) 10(0,-3.15) 11(0,-3.5) 12(0,-3.85) 13(0,-4.2) 14(0,-4.55) 15(0,-4.9) 16(0,-5.25) 17(0,-5.6) 35(6.94,-5.6) 36(6.94,-5.25) 37(6.94,-4.9) 38(6.94,-4.55) 39(6.94,-4.2) 40(6.94,-3.85) 41(6.94,-3.5) 42(6.94,-3.15) 43(6.94,-2.8) 44(6.94,-2.45) 45(6.94,-2.1) 46(6.94,-1.75) 47(6.94,-1.4) 48(6.94,-1.05) 49(6.94,-0.7) 50(6.94,-0.35) 51(6.94,0)
  rrect50% 0.23x0.85 smd: 18(0.67,-6.27) 19(1.02,-6.27) 20(1.37,-6.27) 21(1.72,-6.27) 22(2.07,-6.27) 23(2.42,-6.27) 24(2.77,-6.27) 25(3.12,-6.27) 26(3.47,-6.27) 27(3.82,-6.27) 28(4.17,-6.27) 29(4.52,-6.27) 30(4.87,-6.27) 31(5.22,-6.27) 32(5.57,-6.27) 33(5.92,-6.27) 34(6.27,-6.27) 52(6.27,0.67) 53(5.92,0.67) 54(5.57,0.67) 55(5.22,0.67) 56(4.87,0.67) 57(4.52,0.67) 58(4.17,0.67) 59(3.82,0.67) 60(3.47,0.67) 61(3.12,0.67) 62(2.77,0.67) 63(2.42,0.67) 64(2.07,0.67) 65(1.72,0.67) 66(1.37,0.67) 67(1.02,0.67) 68(0.67,0.67)
  silkscreen extent -0.7,-6.62 7.29,1.02, body extent -0.03,-6.3 6.98,0.7, height 0.81
"RES 0201_0603" [mm] "Chip Resistor, 2-Leads, Body 0.60x0.30mm, IPC Medium Density"
  rect 0.44x0.35 smd: 1(-0.325,0) 2(0.325,0)
  silkscreen extent -0.7,-0.33 0.7,0.33, body extent -0.3,-0.15 0.3,0.15, height 0.21
"RESNET 0804-8 CONVEX" [mm] "4 resistor 2.0x1.0mm, 0.65mm high"
  rect 0.65x0.35 smd: 1(-0.55,0.8) 4(-0.55,-0.8) 5(0.55,-0.8) 8(0.55,0.8)
  rect 0.65x0.25 smd: 2(-0.55,0.25) 3(-0.55,-0.25) 6(0.55,-0.25) 7(0.55,0.25)
  silkscreen extent -1.17,-1.28 1.17,1.28, body extent -0.53,-1.02 0.53,1.03, height 0.56
"RESNET 1506-16 CONVEX" [mm] "Array Chip Resistor, 16 leads, 8 resistors, Body 3.8x1.6mm Height 0.55mm"
  rect 0.5x0.425 smd mask+0.032: 1(-0.75,1.837) 8(-0.75,-1.837) 9(0.75,-1.837) 16(0.75,1.837)
  rect 0.5x0.25 smd mask+0.032: 2(-0.75,1.25) 4(-0.75,0.25) 5(-0.75,-0.25) 6(-0.75,-0.75) 7(-0.75,-1.25) 10(0.75,-1.25) 11(0.75,-0.75) 12(0.75,-0.25) 13(0.75,0.25) 15(0.75,1.25)
  rect 0.5x0.25 smd paste+0 mask+0.032: 3(-0.75,0.75) 14(0.75,0.75)
  silkscreen extent -1.2,-2.3 1.2,2.3, body extent -0.83,-1.95 0.82,1.95, height 0.51
SOP6-BH292-JPS-2-1N [mm]
  rect 2.4x1.4 smd: 1(0,0)
  rrect25% 2.4x1.4 smd: 2(0,-2.54) 3(0,-5.08) 4(5.08,-5.08) 5(5.08,-2.54) 6(5.08,0)
  silkscreen extent -1.4,-6.35 3.4,1.27, body extent -1.12,-6.49 6.17,1.39, height 5.82
TCXO-XTAL-FT2MN [mm]
  rect 1x0.95 smd: 1(0,-1.4)
  rrect50% 1x0.95 smd: 2(1.85,-1.4) 3(1.85,0) 4(0,0)
  silkscreen extent -0.8,-1.9 -0.8,-0.9, body extent -0.08,-1.5 1.92,0.1, height 0.8
"TDK VLS252010CX" [mm] "Chip Inductor, 2-Leads, Body 2.50x2.00mm, IPC Medium Density"
  rect 0.85x2 smd: 1(-0.825,0) 2(0.825,0)
  silkscreen extent -1.6,-1.3 1.6,1.3, body extent -1.25,-1 1.25,1, height 1
testpoint_pad [mm]
  rrect50% 1x1 smd: 0(0,0)
TESTPOINT_VIA [mm] "top & bottom testpoint with a via"
  rrect50% 1x1 hole 0.3: 0(0,0)
testpoint_via [mm] "top & bottom testpoint with a via"
  rrect50% 1x1 hole 0.3: 0(0,0)
UDFN-6L [mm]
  rect 1.05x0.3 smd: 1(0,0)
  rrect50% 1.05x0.3 smd: 2(0,-0.65) 3(0,-1.3) 4(1.7,-1.3) 5(1.7,-0.65) 6(1.7,0)
  silkscreen extent -0.8,-1.5 0.85,0.2, body extent -0.15,-1.65 1.85,0.35, height 0.6
VQFN-HR-TPS6291X [mm]
  rrect50% 0.65x0.2 smd: 1(-0.125,-0.675) 3(-0.125,-1.675) 5(1.625,-1.175)
  rrect50% 1x0.2 smd: 2(0.05,-1.175) 4(1.45,-1.675) 6(1.45,-0.675)
  rrect40% 0.25x0.55 smd: 7(1.5,0) 8(1,0) 9(0.5,0) 10(0,0)
  silkscreen extent -0.4,-0.3 -0.4,0, body extent -0.25,-1.92 1.75,0.08, height 1
